# Altium PCB aruna_pcb_card.PcbDoc
Units mil, origin at the board's own origin, x right, y up, seen from the top; angles counter-clockwise.
Board outline 3149.61 x 3150 mil, 2 copper layers (Top Layer, Bottom Layer); 22 components, 36 nets, 165 pads, 36 vias.
Unrouted connection lines stored in the file: 1.
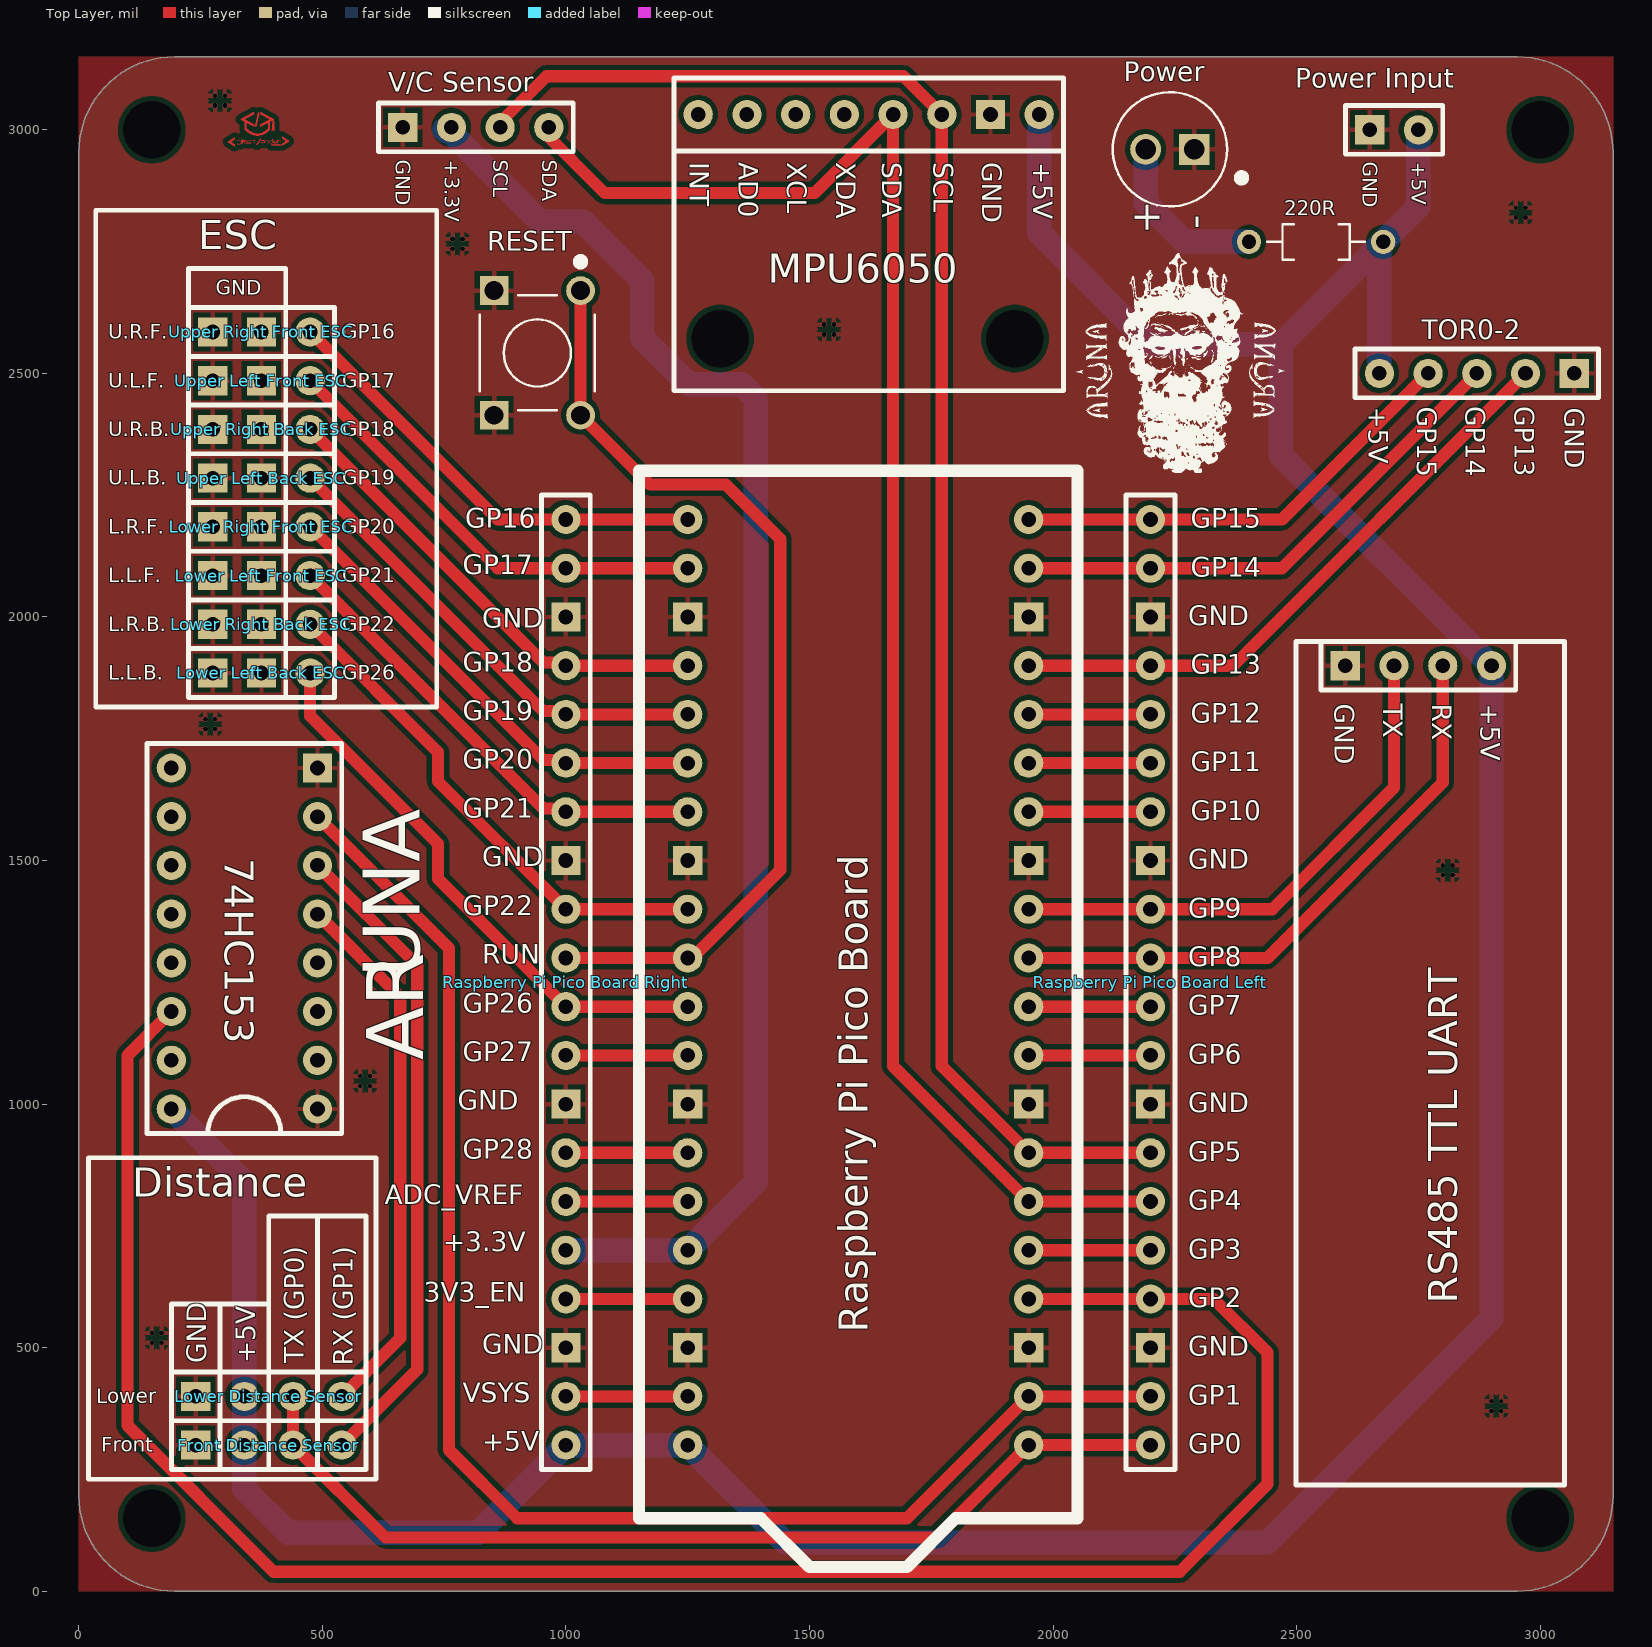
[diagram p0: Top Layer view]
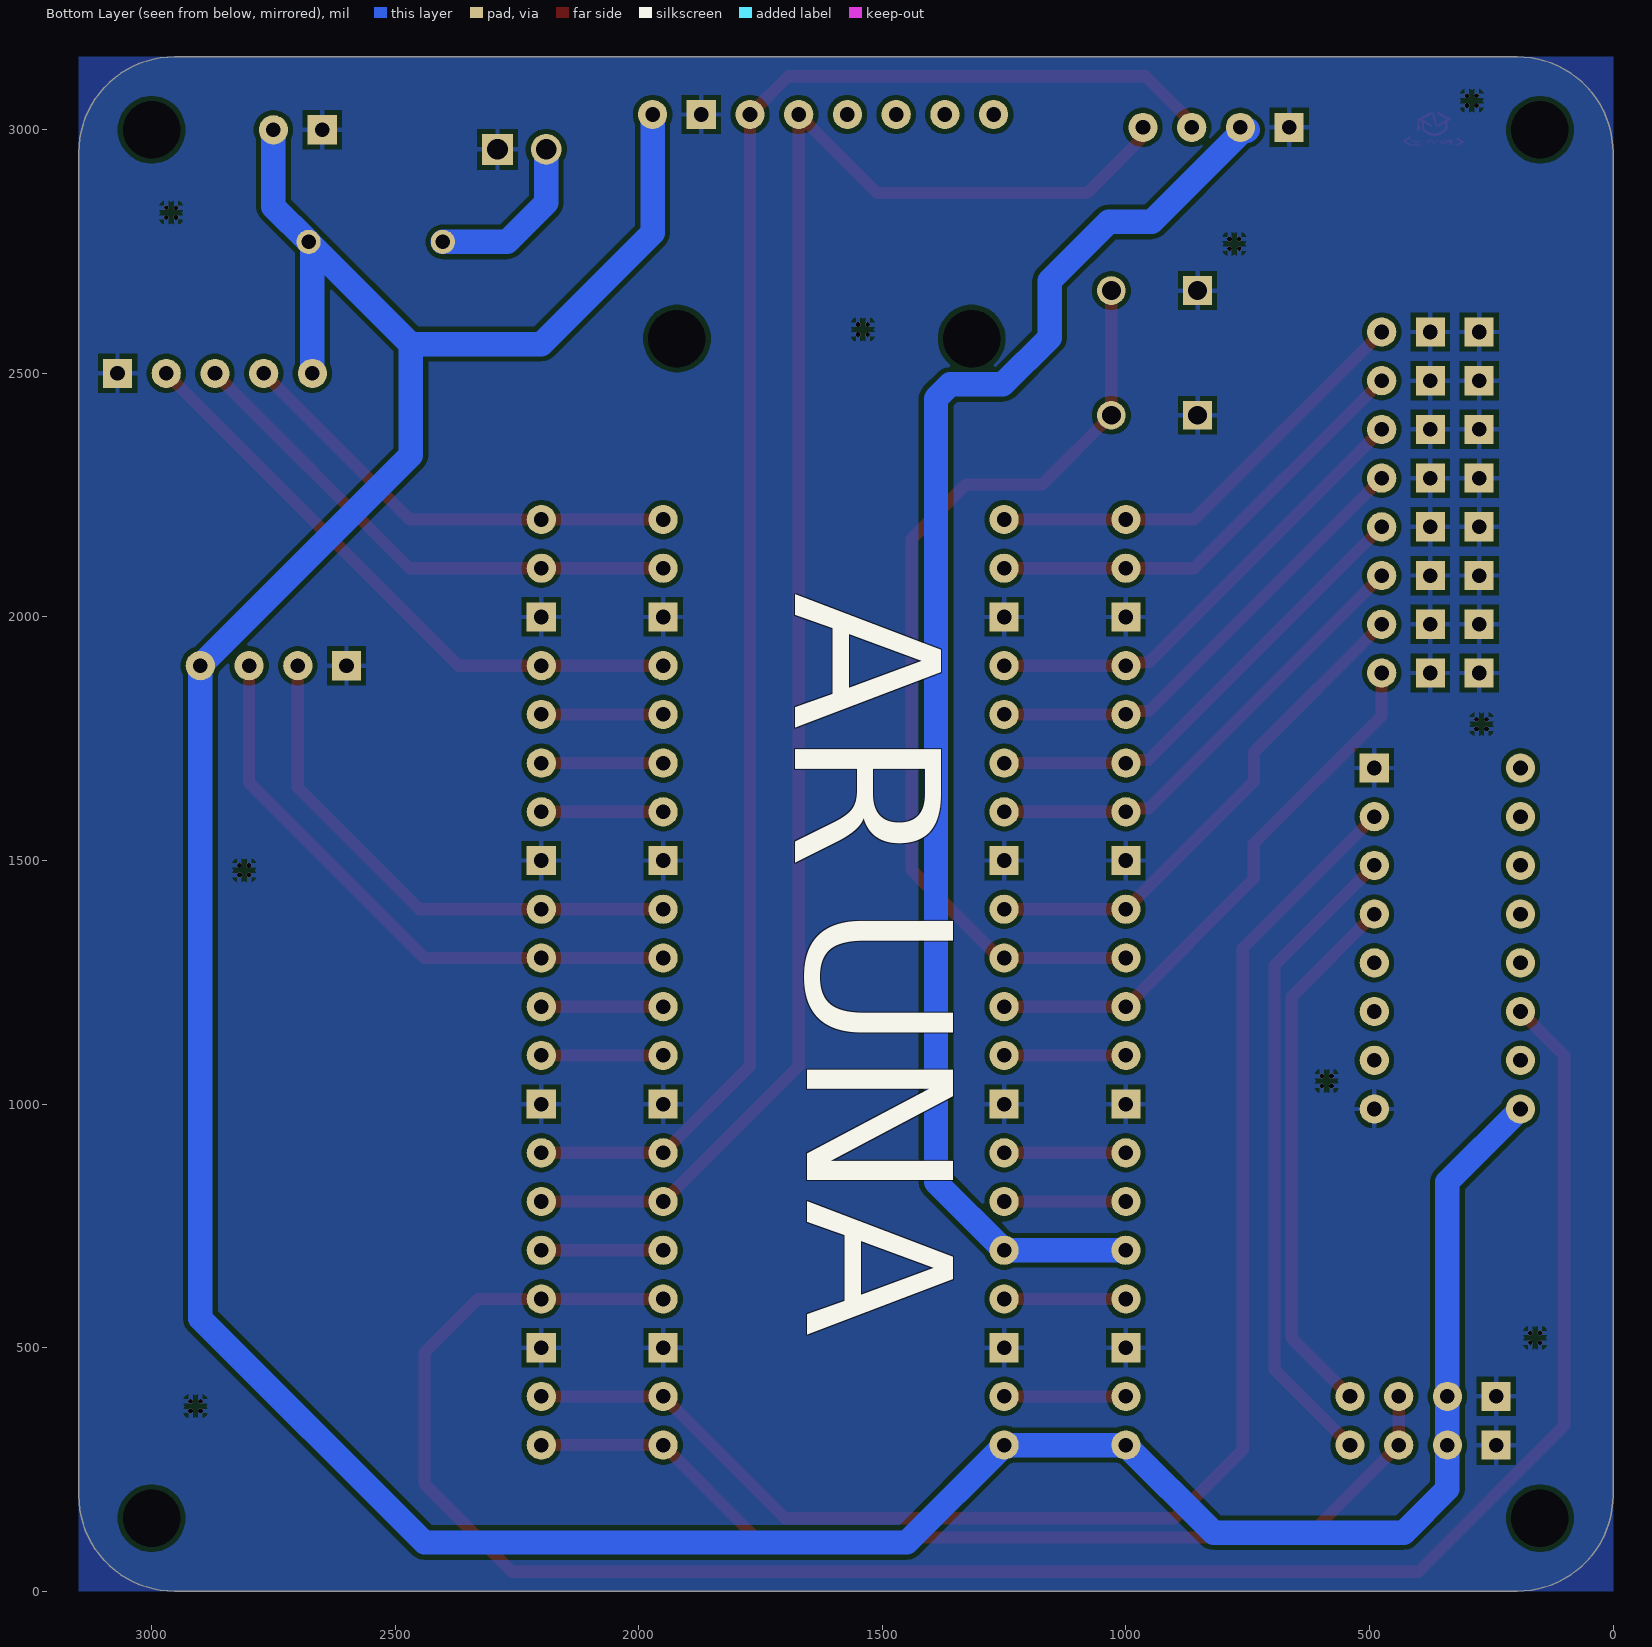
[diagram p1: Bottom Layer view, seen from below]

## Layer stack, top to bottom
Top Solder: solder mask 0.4, Solder Resist, Dk 3.5
Top Layer: signal copper 1.4
Dielectric 1: dielectric 12.6, FR-4, Dk 4.8
Bottom Layer: signal copper 1.4
Bottom Solder: solder mask 0.4, Solder Resist, Dk 3.5

## Board outline
0,196.85 0,2953.15 cw(c196.85,2953.15) 196.85,3150 2952.76,3150 cw(c2952.76,2953.15) 3149.61,2953.15 3149.61,196.85 cw(c2952.76,196.85) 2952.76,0 196.85,0 cw(c196.85,196.85)

## Design rules (kind name [scope] priority, off if disabled: settings)
Clearance [All] p1: gap=10 ignorepadtopadclearanceinfootprint=FALSE except(0: Arc-Hole Track-Hole SMDPad-Hole THPad-Hole Via-Hole Fill-Hole Poly-Hole Region-Hole Text-Hole)
DiffPairsRouting [All] p1: maxlimit=25 minlimit=10 mostfreqgap=25 toplayer_minwidth=25 toplayer_maxwidth=50 toplayer_prefwidth=25 bottomlayer_minwidth=25 bottomlayer_maxwidth=50 bottomlayer_prefwidth=25 maxuncoupledlength=500
HoleSize [All] p1: absolutevalues=TRUE maxlimit=1000 minlimit=1 maxpercent=80.000 minpercent=20.000
MinimumSolderMaskSliver [All] p1: minsoldermaskwidth=1
PolygonConnect [All] p1: connectstyle=Relief reliefconductorwidth=10 reliefentries=4 polygonreliefangle="90 Angle" airgapwidth=10
RoutingVias [All] p1: holewidth=28 width=50 viastyle="Through Hole" minholewidth=28 minwidth=50 maxholewidth=28 maxwidth=50
ShortCircuit [All] p1: allowed=TRUE
SilkToSilkClearance [All] p1: silktosilkclearance=1
SilkToSolderMaskClearance [IsPad] p1: minsilkscreentomaskgap=1 clearancetoexposedcopper=TRUE
SolderMaskExpansion [All] p1: expansion=4 istentingtop=FALSE
Width [All] p1: maxlimit=100 minlimit=10 preferedwidth=10
24 further rules are at their usual default settings.

## Components (designator, comment, footprint, x,y, rotation, side; value= is the part's Value field where it differs from the comment)
74HC153 "74hc153" 74HC153 490,990 r180 top
220R "220R RES" RES 2540,2770 r180 top
"Front Distance Sensor" "Front Distance Sensor" "FRONT DISTANCE SENSOR" 240,300 r0 top
"Lower Distance Sensor" "Lower Distance Sensor" "LOWER DISTANCE SENSOR" 240,400 r0 top
"Lower Left Back ESC" "Lower Left Back ESC" "LOWER LEFT BACK ESC" 275,1885 r0 top
"Lower Left Front ESC" "Lower Left Front ESC" "LOWER LEFT FRONT ESC" 275,2085 r0 top
"Lower Right Back ESC" "Lower Right Back ESC" "LOWER RIGHT BACK ESC" 275,1985 r0 top
"Lower Right Front ESC" "Lower Right Front ESC" "LOWER RIGHT FRONT ESC" 275,2185 r0 top
MPU6050 "MPU6050" MPU6050 1271.65,3031.5 r0 top
Power "Power LED" "POWER LED" 2240,2960 r180 top
"Power Input" "Power Input" "Power Input" 2650,3000 r0 top
"Raspberry Pi Pico Board" "Raspberry Pi Pico Board" "RASPBERRY PI PICO BOARD" 1950,300 r180 top
"Raspberry Pi Pico Board Left" "Raspberry Pi Pico Board Left" "RASPBERRY PI PICO BOARD LEFT" 2200,300 r180 top
"Raspberry Pi Pico Board Right" "Raspberry Pi Pico Board Right" "RASPBERRY PI PICO BOARD RIGHT" 1000,300 r180 top
RESET "RPi Pico Reset Button" "RPI PICO RESET BUTTON" 941.42,2542.05 r270 top
"RS485 TTL UART" "RS485 TTL UART" "RS485 TTL UART" 2600,1900 r0 top
TOR0-2 "Torpldo0-2" TORPIDO0-2 2670,2500 r0 top
"Upper Left Back ESC" "Upper Left Back ESC" "UPPER LEFT BACK ESC" 275,2285 r0 top
"Upper Left Front ESC" "Upper Left Front ESC" "UPPER LEFT FRONT ESC" 275,2485 r0 top
"Upper Right Back ESC" "Upper Right Back ESC" "UPPER RIGHT BACK ESC" 275,2385 r0 top
"Upper Right Front ESC" "Upper Right Front ESC" "UPPER RIGHT FRONT ESC" 275,2585 r0 top
"V/C Sensor" "Voltage Current Sensor" "Voltage Current Sensor" 665,3005 r0 top

## Footprints (in the part's own frame and the unit in brackets; to place one, negate y for a bottom-side part, rotate by r counter-clockwise, add the part's x,y. Pads: shape width x height; smd on the part's side, far side on the other; paste and mask are expansions set on the pad)
74HC153 [mil]
  round 60 hole 30: 1E(0,0) 1X0(0,-500) 1X1(0,-400) 1X2(0,-300) 1X3(0,-200) 1Y(0,-600) 2E(300,-100) 2X0(300,-600) 2X1(300,-500) 2X2(300,-400) 2X3(300,-300) 2Y(300,-700) +5V(300,0) A(300,-200) B(0,-100)
  rect 60x60 hole 30: GND(0,-700)
  silkscreen extent -50,-750 350,50, body extent -50,-762 352,62, height 310
"FRONT DISTANCE SENSOR" [mil]
  round 60 hole 30: +5V(100,0) RX(300,0) TX(200,0)
  rect 60x60 hole 30: GND(0,0)
  silkscreen extent -50,-50 350,50, body extent -50,-49 350,49, height 330
"LOWER DISTANCE SENSOR" [mil]
  round 60 hole 30: +5V(100,0) RX(300,0) TX(200,0)
  rect 60x60 hole 30: GND(0,0)
  silkscreen extent -50,-50 350,50, body extent -50,-49 350,49, height 330
"LOWER LEFT BACK ESC" [mil]
  rect 60x60 hole 30: GND(0,0) GND(100,0)
  round 60 hole 30: SIG(200,0)
  silkscreen extent -50,-50 250,50, body extent -50,-50 250,50, height 350
"LOWER LEFT FRONT ESC" [mil]
  rect 60x60 hole 30: GND(0,0) GND(100,0)
  round 60 hole 30: SIG(200,0)
  silkscreen extent -50,-50 250,50, body extent -50,-50 250,50, height 350
"LOWER RIGHT BACK ESC" [mil]
  rect 60x60 hole 30: GND(0,0) GND(100,0)
  round 60 hole 30: SIG(200,0)
  silkscreen extent -50,-50 250,50, body extent -50,-50 250,50, height 350
"LOWER RIGHT FRONT ESC" [mil]
  rect 60x60 hole 30: GND(0,0) GND(100,0)
  round 60 hole 30: SIG(200,0)
  silkscreen extent -50,-50 250,50, body extent -50,-50 250,50, height 350
MPU6050 [mil]
  round 60 hole 118.11: 6(45,-460) 6(650,-460)
  round 60 hole 30: +5V(700,0) AD0(100,0) INT(0,0) SCL(500,0) SDA(400,0) XCL(200,0) XDA(300,0)
  rect 60x60 hole 30: GND(600,0)
  silkscreen extent -50,-567 750,75, body extent -52,-550 750,50, height 582
"Power Input" [mil]
  round 60 hole 30: +5V(100,0)
  rect 60x60 hole 30: GND(0,0)
  silkscreen extent -50,-50 150,50, body extent -50,-50 150,50, height 355
"POWER LED" [mm]
  round 1.61 hole 1.07: +5V(1.27,0)
  rect 1.61x1.61 hole 1.07: GND(-1.27,0)
  silkscreen extent -3.93,-2.98 2.98,2.98, body extent -2.51,-2.95 2.92,2.95, height 9.6
"RASPBERRY PI PICO BOARD" [mil]
  round 60 hole 30: 3V3_EN(700,-300) +3.3V(700,-400) +5V(700,0) ADC_VREF(700,-500) GP0(0,0) GP1(0,-100) GP2(0,-300) GP3(0,-400) GP4(0,-500) GP5(0,-600) GP6(0,-800) GP7(0,-900) GP8(0,-1000) GP9(0,-1100) GP10(0,-1300) GP11(0,-1400) GP12(0,-1500) GP13(0,-1600) GP14(0,-1800) GP15(0,-1900) GP16(700,-1900) GP17(700,-1800) GP18(700,-1600) GP19(700,-1500) GP20(700,-1400) GP21(700,-1300) GP22(700,-1100) GP26(700,-900) GP27(700,-800) GP28(700,-600) RUN(700,-1000) VSYS(700,-100)
  rect 60x60 hole 30: GND(0,-200) GND(0,-700) GND(0,-1200) GND(0,-1700) GND(700,-200) GND(700,-1200) GND(700,-700) GND(700,-1700)
  silkscreen extent -100,-2000 800,250, body extent -70,-1950 770,109, height 625
"RASPBERRY PI PICO BOARD LEFT" [mil]
  rect 60x60 hole 30: GND(0,-200) GND(0,-700) GND(0,-1200) GND(0,-1700)
  round 60 hole 30: GP0(0,0) GP1(0,-100) GP2(0,-300) GP3(0,-400) GP4(0,-500) GP5(0,-600) GP6(0,-800) GP7(0,-900) GP8(0,-1000) GP9(0,-1100) GP10(0,-1300) GP11(0,-1400) GP12(0,-1500) GP13(0,-1600) GP14(0,-1800) GP15(0,-1900)
  silkscreen extent -50,-1950 50,50, body extent -49,-1950 49,50, height 330
"RASPBERRY PI PICO BOARD RIGHT" [mil]
  round 60 hole 30: 3V3_EN(0,-300) +3.3V(0,-400) +5V(0,0) ADC_VREF(0,-500) GP16(0,-1900) GP17(0,-1800) GP18(0,-1600) GP19(0,-1500) GP20(0,-1400) GP21(0,-1300) GP22(0,-1100) GP26(0,-900) GP27(0,-800) GP28(0,-600) RUN(0,-1000) VSYS(0,-100)
  rect 60x60 hole 30: GND(0,-200) GND(0,-700) GND(0,-1200) GND(0,-1700)
  silkscreen extent -50,-1950 50,50, body extent -49,-1950 49,50, height 330
RES [mm]
  round 1.258 hole 0.75: 1(-3.5,0) 2(3.5,0)
  silkscreen extent -2.55,-0.92 2.55,0.92, body extent -3.72,-0.92 3.72,0.92, height 1.85
"RPI PICO RESET BUTTON" [mm]
  round 1.498 hole 0.99: 1(-3.25,2.25) 3(3.25,2.25)
  rect 1.498x1.498 hole 0.99: 2(-3.25,-2.25) 4(3.25,-2.25)
  silkscreen extent -4.95,-3 3,3, body extent -3.95,-3 3.95,3, height 9.5
"RS485 TTL UART" [mil]
  round 60 hole 30: +5V(300,0) RX(200,0) TX(100,0)
  rect 60x60 hole 30: GND(0,0)
  silkscreen extent -101,-1682 450,50, body extent -60,-50 360,50, height 335
TORPIDO0-2 [mil]
  round 60 hole 30: +5V(0,0) IN0(300,0) IN1(200,0) IN2(100,0)
  rect 60x60 hole 30: GND(400,0)
  silkscreen extent -50,-50 450,50, body extent -55,-50 450,50, height 330
"UPPER LEFT BACK ESC" [mil]
  rect 60x60 hole 30: GND(0,0) GND(100,0)
  round 60 hole 30: SIG(200,0)
  silkscreen extent -50,-50 250,50, body extent -50,-50 250,50, height 350
"UPPER LEFT FRONT ESC" [mil]
  rect 60x60 hole 30: GND(0,0) GND(100,0)
  round 60 hole 30: SIG(200,0)
  silkscreen extent -50,-50 250,50, body extent -50,-50 250,50, height 350
"UPPER RIGHT BACK ESC" [mil]
  rect 60x60 hole 30: GND(0,0) GND(100,0)
  round 60 hole 30: SIG(200,0)
  silkscreen extent -50,-50 250,50, body extent -50,-50 250,50, height 350
"UPPER RIGHT FRONT ESC" [mil]
  rect 60x60 hole 30: GND(0,0) GND(100,0)
  round 60 hole 30: SIG(200,0)
  silkscreen extent -50,-50 250,50, body extent -50,-50 250,50, height 350
"Voltage Current Sensor" [mil]
  round 60 hole 30: +3.3V(100,0) SCL(200,0) SDA(300,0)
  rect 60x60 hole 30: GND(0,0)
  silkscreen extent -50,-50 350,50, body extent -50,-48 350,50, height 330

## Part data
220R RESET: Package=None, Availability="In Stock", MF="TE Connectivity", Price=None
  220R: Check_prices=https://www.snapeda.com/parts/3-1623927-1/TE+Connectivity/view-part/?ref=eda, MP=3-1623927-1, SnapEDA_Link=https://www.snapeda.com/parts/3-1623927-1/TE+Connectivity/view-part/?ref=snap
  RESET: Check_prices=https://www.snapeda.com/parts/FSM8JH/TE+Connectivity+ALCOSWITCH+Switches/view-part/?ref=eda, MP=FSM8JH, SnapEDA_Link=https://www.snapeda.com/parts/FSM8JH/TE+Connectivity+ALCOSWITCH+Switches/view-part/?ref=snap
Power: Package="Radial Vishay", Availability=Unavailable, MF=Vishay, MP=TSAL6200, Price=None, SnapEDA_Link=https://www.snapeda.com/parts/TSAL6200/Vishay%20Semiconductor%20Opto%20Division/view-part/1186623/?ref=snap

## Free pads (board coordinates)
  round 60 hole 118.11: 3(150,150) 3(150,3000) 3(3000,150) 3(3000,3000)

## Via types
v1: diameter 10, hole 10, Top Layer to Bottom Layer, 36 vias

## Nets (pads, with @x,y where several pads share a name; then routed paths per layer and width w, separated by ;. In a path a pad name is that pad's centre, name@x,y a point inside that pad or via, vN(x,y) a via of type N, cw(c..) or ccw(c..) an arc to the next point about the centre after c; other vN are vias at no path point)
+3.3: "Raspberry Pi Pico Board Right.+3.3V" "Raspberry Pi Pico Board.+3.3V" "V/C Sensor.+3.3V" | length 2993
  Bottom Layer w50: 750,3000 751.91,2998.09 759.99,2998.09 947.05,2811.03 1035.54,2811.03 1156.62,2689.95 1156.62,2573.38 1252.56,2477.44 1360.71,2477.44 1390,2448.15 1390,840 1250,700 1000,700
+5: 74HC153.2E 74HC153.+5V 220R.1 "Front Distance Sensor.+5V" "Lower Distance Sensor.+5V" "Power Input.+5V" "Raspberry Pi Pico Board Right.+5V" "Raspberry Pi Pico Board.+5V" "RS485 TTL UART.+5V" MPU6050.+5V TOR0-2.+5V | length 7619.3
  Bottom Layer w50: 74HC153.+5V 340,840 340,400 340,300 340,210 430,120 820,120 1000,300 1250,300 1450,100 2440,100 2900,560 2900,1900 2467.8,2332.2 2467.8,2560 ; MPU6050.+5V 1971.65,2788.35 2200,2560 2467.8,2560 ; TOR0-2.+5V 220R.1@2670,2762.2 ; 2750,3000 2750,2842.2 220R.1 220R.1@2670,2762.2 ; 2467.8,2560 220R.1@2670,2762.2
DIS_SW: 74HC153.A "Raspberry Pi Pico Board Left.GP2" "Raspberry Pi Pico Board.GP2" | length 4231.7
  Top Layer w25: 74HC153.A 100,1100 100,340 400,40 2260,40 2440,220 2440,490 2330,600 2200,600 1950,600
"Distance Sensor RX": 74HC153.1Y "Raspberry Pi Pico Board Left.GP1" "Raspberry Pi Pico Board.GP1" | length 3013.4
  Top Layer w25: 74HC153.1Y 760,1320 760,290 900,150 1700,150 1950,400 2200,400
"Distance Sensor TX": "Front Distance Sensor.TX" "Lower Distance Sensor.TX" "Raspberry Pi Pico Board Left.GP0" "Raspberry Pi Pico Board.GP0" | length 2017.4
  Top Layer w25: 440,400 440,300 630,110 1760,110 1950,300 2200,300
"Front Distance Sensor RX": 74HC153.1X0 "Front Distance Sensor.RX" | length 1339.1
  Top Layer w25: 74HC153.1X0 695,1285 695,455 540,300
GND: 74HC153.1E 74HC153.GND "Front Distance Sensor.GND" "Lower Distance Sensor.GND" "Lower Left Back ESC.GND" "Lower Left Front ESC.GND" "Lower Right Back ESC.GND" "Lower Right Front ESC.GND" "Power Input.GND" "Raspberry Pi Pico Board Left.GND" "Raspberry Pi Pico Board Right.GND" "Raspberry Pi Pico Board.GND" "RS485 TTL UART.GND" "Upper Left Back ESC.GND" "Upper Left Front ESC.GND" "Upper Right Back ESC.GND" "Upper Right Front ESC.GND" "V/C Sensor.GND" MPU6050.GND Power.GND RESET.2 RESET.4 TOR0-2.GND
  other v1: 2900,370 2920,370 2900,390 2920,390 150,510 170,510 150,530 170,530 577.87,1037.32 597.87,1037.32 577.87,1057.32 597.87,1057.32 2800,1470 2820,1470 2800,1490 2820,1490 260,1770 280,1770 260,1790 280,1790 1530,2580 1550,2580 1530,2600 1550,2600 767.4,2755.91 787.4,2755.91 767.4,2775.91 787.4,2775.91 2950,2820 2970,2820 2950,2840 2970,2840 280,3050 300,3050 280,3070 300,3070
"I2C0 SCL": "Raspberry Pi Pico Board Left.GP5" "Raspberry Pi Pico Board.GP5" "V/C Sensor.SCL" MPU6050.SCL | length 3455.1
  Top Layer w25: 850,3000 960,3110 1693.15,3110 MPU6050.SCL 1771.65,1078.35 1950,900 2200,900
"I2C0 SDA": "Raspberry Pi Pico Board Left.GP4" "Raspberry Pi Pico Board.GP4" "V/C Sensor.SDA" MPU6050.SDA | length 3439.2
  Top Layer w25: 950,3000 1080,2870 1510.16,2870 MPU6050.SDA 1671.65,1078.35 1950,800 2200,800
"Lower Distance Sensor RX": 74HC153.1X1 "Lower Distance Sensor.RX" | length 1110.1
  Top Layer w25: 74HC153.1X1 660,1220 660,520 540,400
"Lower Left Back ESC": "Lower Left Back ESC.SIG" "Raspberry Pi Pico Board Right.GP26" "Raspberry Pi Pico Board.GP26" | length 1152.5
  Top Layer w25: 475,1885 475,1796.82 737.5,1534.32 737.5,1462.5 1000,1200 1250,1200
"Lower Left Front ESC": "Lower Left Front ESC.SIG" "Raspberry Pi Pico Board Right.GP21" "Raspberry Pi Pico Board.GP21" | length 975.9
  Top Layer w25: 475,2085 953.3,1606.7 993.3,1606.7 1000,1600 1250,1600
"Lower Right Back ESC": "Lower Right Back ESC.SIG" "Raspberry Pi Pico Board Right.GP22" "Raspberry Pi Pico Board.GP22" | length 1052.5
  Top Layer w25: 475,1985 737.18,1722.82 737.18,1662.82 1000,1400 1250,1400
"Lower Right Front ESC": "Lower Right Front ESC.SIG" "Raspberry Pi Pico Board Right.GP20" "Raspberry Pi Pico Board.GP20" | length 975.9
  Top Layer w25: 475,2185 953.3,1706.7 993.3,1706.7 1000,1700 1250,1700
Net220R_2: 220R.2 Power.+5V | length 355.3
  Bottom Layer w50: Power.+5V 2190,2850 2270,2770 220R.2
"NetRaspberry Pi Pico Board Left_GP3": "Raspberry Pi Pico Board Left.GP3" "Raspberry Pi Pico Board.GP3" | length 250
  Top Layer w25: 1950,700 2200,700
"NetRaspberry Pi Pico Board Left_GP6": "Raspberry Pi Pico Board Left.GP6" "Raspberry Pi Pico Board.GP6" | length 250
  Top Layer w25: 1950,1100 2200,1100
"NetRaspberry Pi Pico Board Left_GP7": "Raspberry Pi Pico Board Left.GP7" "Raspberry Pi Pico Board.GP7" | length 250
  Top Layer w25: 1950,1200 2200,1200
"NetRaspberry Pi Pico Board Left_GP10": "Raspberry Pi Pico Board Left.GP10" "Raspberry Pi Pico Board.GP10" | length 250
  Top Layer w25: 1950,1600 2200,1600
"NetRaspberry Pi Pico Board Left_GP11": "Raspberry Pi Pico Board Left.GP11" "Raspberry Pi Pico Board.GP11" | length 250
  Top Layer w25: 1950,1700 2200,1700
"NetRaspberry Pi Pico Board Left_GP12": "Raspberry Pi Pico Board Left.GP12" "Raspberry Pi Pico Board.GP12" | length 250
  Top Layer w25: 1950,1800 2200,1800
"NetRaspberry Pi Pico Board Right_3V3_EN": "Raspberry Pi Pico Board Right.3V3_EN" "Raspberry Pi Pico Board.3V3_EN" | length 250
  Top Layer w25: 1000,600 1250,600
"NetRaspberry Pi Pico Board Right_ADC_VREF": "Raspberry Pi Pico Board Right.ADC_VREF" "Raspberry Pi Pico Board.ADC_VREF" | length 250
  Top Layer w25: 1000,800 1250,800
"NetRaspberry Pi Pico Board Right_GP27": "Raspberry Pi Pico Board Right.GP27" "Raspberry Pi Pico Board.GP27" | length 250
  Top Layer w25: 1000,1100 1250,1100
"NetRaspberry Pi Pico Board Right_GP28": "Raspberry Pi Pico Board Right.GP28" "Raspberry Pi Pico Board.GP28" | length 250
  Top Layer w25: 1000,900 1250,900
"NetRaspberry Pi Pico Board Right_VSYS": "Raspberry Pi Pico Board Right.VSYS" "Raspberry Pi Pico Board.VSYS" | length 250
  Top Layer w25: 1000,400 1250,400
"RPi Pico Reset": "Raspberry Pi Pico Board Right.RUN" "Raspberry Pi Pico Board.RUN" RESET.1 RESET.3 | length 1971.5
  Top Layer w25: 1000,1300 1259.47,1300 1440,1480.53 1440,2160 1328.28,2271.72 1172.38,2271.72 RESET.3 RESET.1
  Bottom Layer w25: 995.71,1304.29 1000,1300
"RS485 TTL UART RX": "Raspberry Pi Pico Board Left.GP8" "Raspberry Pi Pico Board.GP8" "RS485 TTL UART.RX" | length 1239.1
  Top Layer w25: 1950,1300 2200,1300 2440,1300 2800,1660 2800,1900
"RS485 TTL UART TX": "Raspberry Pi Pico Board Left.GP9" "Raspberry Pi Pico Board.GP9" "RS485 TTL UART.TX" | length 1103.6
  Top Layer w25: 1950,1400 2200,1400 2450,1400 2700,1650 2700,1900
"Torpido 0": "Raspberry Pi Pico Board Left.GP13" "Raspberry Pi Pico Board.GP13" TOR0-2.IN0 | length 1268.5
  Top Layer w25: 1950,1900 2200,1900 2370,1900 TOR0-2.IN0
"Torpido 1": "Raspberry Pi Pico Board Left.GP14" "Raspberry Pi Pico Board.GP14" TOR0-2.IN1 | length 1085.7
  Top Layer w25: 1950,2100 2200,2100 2470,2100 TOR0-2.IN1
"Torpido 2": "Raspberry Pi Pico Board Left.GP15" "Raspberry Pi Pico Board.GP15" TOR0-2.IN2 | length 944.3
  Top Layer w25: 1950,2200 2200,2200 2470,2200 TOR0-2.IN2
"Upper Left Back ESC": "Raspberry Pi Pico Board Right.GP19" "Raspberry Pi Pico Board.GP19" "Upper Left Back ESC.SIG" | length 975.9
  Top Layer w25: 475,2285 953.3,1806.7 993.3,1806.7 1000,1800 1250,1800
"Upper Left Front ESC": "Raspberry Pi Pico Board Right.GP17" "Raspberry Pi Pico Board.GP17" "Upper Left Front ESC.SIG" | length 934.5
  Top Layer w25: 475,2485 860,2100 1000,2100 1250,2100
"Upper Right Back ESC": "Raspberry Pi Pico Board Right.GP18" "Raspberry Pi Pico Board.GP18" "Upper Right Back ESC.SIG" | length 975.9
  Top Layer w25: 475,2385 953.3,1906.7 993.3,1906.7 1000,1900 1250,1900
"Upper Right Front ESC": "Raspberry Pi Pico Board Right.GP16" "Raspberry Pi Pico Board.GP16" "Upper Right Front ESC.SIG" | length 934.5
  Top Layer w25: 475,2585 860,2200 1000,2200 1250,2200
pads on no net: 74HC153.1X2 74HC153.1X3 74HC153.2X0 74HC153.2X1 74HC153.2X2 74HC153.2X3 74HC153.2Y 74HC153.B MPU6050.6 MPU6050.AD0 MPU6050.INT MPU6050.XCL MPU6050.XDA

## Polygon pours and split planes (outlines as drawn)
GND on Bottom Layer "NONET_L-01_P-001" (solid, pour order 1): 0,3149.61 3149.61,3149.61 3149.61,0 0,0
GND on Top Layer "NONET_L-01_P-001" (solid, pour order 0): 0,3149.61 3149.61,3149.61 3149.61,0 0,0

## Other copper
Top Layer:
  drawing of 34 lines, arcs and shapes, not listed

## Silkscreen, mask and mechanical layers (free items; w line width, h text height)
Top Overlay:
  drawing of 82 lines, arcs and shapes, not listed
  text "ESC" at 245,2755 h60
  text "GND" at 281,2661 h30
  text "UNA" at 739.07,1259.63 h200 r90
  text "AR" at 746.31,1090 h200 r90
  text "Distance" at 110,810 h60
  text "GND" at 262,468 h40 r90
  text "+5V" at 362,468 h40 r90
  text "TX (GP0)" at 462,468 h40 r90
  text "RX (GP1)" at 562.35,462.66 h40 r90
Bottom Overlay:
  text "AR" at 1821.12,2050 h750 r90
  text "UNA" at 1796.53,1411.39 h750 r90
Mechanical 1:
  lines w10: 5,201.85 ccw(c201.85,201.85) 201.85,5 2957.76,5 ccw(c2957.76,201.85) 3154.61,201.85 3154.61,2957.76 ccw(c2957.76,2957.76) 2957.76,3154.61 201.85,3154.61 ccw(c201.85,2957.76) 5,2957.76 5,201.85

## Text inside footprints (layer, text, board x,y; h text height)
"Front Distance Sensor": Top Overlay "Front" at 46,286 h30
"Lower Distance Sensor": Top Overlay "Lower" at 36,386 h30
"Lower Left Back ESC": Top Overlay "L.L.B." at 61,1871 h30; Top Overlay "GP26" at 541,1871 h30
"Lower Left Front ESC": Top Overlay "L.L.F." at 61,2071 h30; Top Overlay "GP21" at 541,2071 h30
"Lower Right Back ESC": Top Overlay "GP22" at 541,1971 h30; Top Overlay "L.R.B." at 61,1971 h30
"Lower Right Front ESC": Top Overlay "L.R.F." at 61,2171 h30; Top Overlay "GP20" at 541,2171 h30
MPU6050: Top Overlay "INT" at 1254.65,2933.5 h40 r270; Top Overlay "AD0" at 1354.65,2933.5 h40 r270; Top Overlay "XCL" at 1454.65,2933.5 h40 r270; Top Overlay "XDA" at 1554.65,2933.5 h40 r270; Top Overlay "SDA" at 1649.65,2933.5 h40 r270; Top Overlay "SCL" at 1754.65,2933.5 h40 r270; Top Overlay "+5V" at 1959.65,2933.5 h40 r270; Top Overlay "GND" at 1854.65,2933.5 h40 r270
Power: Top Overlay "-" at 2318.99,2796 h60 r90; Top Overlay "+" at 2219,2786 h60 r90
"Power Input": Top Overlay "+5V" at 2736,2934 h30 r270; Top Overlay "GND" at 2636,2934 h30 r270
"Raspberry Pi Pico Board Left": Top Overlay "GP15" at 2283,2182.99 h40; Top Overlay "GP1" at 2278,383 h40; Top Overlay "GP0" at 2278,283 h40; Top Overlay "GND" at 2278,483 h40; Top Overlay "GP2" at 2278,582.99 h40; Top Overlay "GP3" at 2278,682.99 h40; Top Overlay "GP4" at 2278,782.99 h40; Top Overlay "GP5" at 2278,882.99 h40; Top Overlay "GND" at 2278,982.99 h40; Top Overlay "GP6" at 2278,1082.99 h40; Top Overlay "GP7" at 2278,1182.99 h40; Top Overlay "GP8" at 2278,1282.99 h40; Top Overlay "GP9" at 2278,1382.99 h40; Top Overlay "GND" at 2278,1482.99 h40; Top Overlay "GP10" at 2283,1582.99 h40; Top Overlay "GP11" at 2283,1682.99 h40; Top Overlay "GP12" at 2283,1782.99 h40; Top Overlay "GP13" at 2283,1882.99 h40; Top Overlay "GND" at 2278,1982.99 h40; Top Overlay "GP14" at 2283,2082.99 h40
"Raspberry Pi Pico Board Right": Top Overlay "+5V" at 828,288 h40; Top Overlay "VSYS" at 788,388 h40; Top Overlay "GND" at 828,488 h40; Top Overlay "3V3_EN" at 708,594.66 h40; Top Overlay "+3.3V" at 748,697.99 h40; Top Overlay "ADC_VREF" at 628,794.66 h40; Top Overlay "GP28" at 788,887.99 h40; Top Overlay "GND" at 778,987.99 h40; Top Overlay "GP27" at 788,1087.99 h40; Top Overlay "GP26" at 788,1187.99 h40; Top Overlay "RUN" at 828,1287.99 h40; Top Overlay "GP22" at 788,1387.99 h40; Top Overlay "GND" at 828,1487.99 h40; Top Overlay "GP21" at 788,1587.99 h40; Top Overlay "GP20" at 788,1687.99 h40; Top Overlay "GP19" at 788,1787.99 h40; Top Overlay "GP18" at 788,1887.99 h40; Top Overlay "GP16" at 793,2182.99 h40; Top Overlay "GP17" at 788,2087.99 h40; Top Overlay "GND" at 828,1977.99 h40
"RS485 TTL UART": Top Overlay "GND" at 2578,1822 h40 r270; Top Overlay "TX" at 2678,1822 h40 r270; Top Overlay "RX" at 2778,1822 h40 r270; Top Overlay "+5V" at 2878,1822 h40 r270
TOR0-2: Top Overlay "GND" at 3050.7,2429.45 h40 r270; Top Overlay "GP13" at 2947.53,2432.55 h40 r270; Top Overlay "GP14" at 2847.53,2432.55 h40 r270; Top Overlay "+5V" at 2648,2432 h40 r270; Top Overlay "GP15" at 2748,2432 h40 r270
"Upper Left Back ESC": Top Overlay "U.L.B." at 61,2271 h30; Top Overlay "GP19" at 541,2271 h30
"Upper Left Front ESC": Top Overlay "U.L.F." at 61,2471 h30; Top Overlay "GP17" at 541,2471 h30
"Upper Right Back ESC": Top Overlay "GP18" at 541,2371 h30; Top Overlay "U.R.B." at 61,2371 h30
"Upper Right Front ESC": Top Overlay "U.R.F." at 61,2571 h30; Top Overlay "GP16" at 541,2571 h30
"V/C Sensor": Top Overlay "GND" at 651,2939 h30 r270; Top Overlay "+3.3V" at 751,2939 h30 r270; Top Overlay "SDA" at 951,2939 h30 r270; Top Overlay "SCL" at 851,2939 h30 r270